# Altium PCB HIL_RIG_REV_1_1.PcbDoc (part 2 of 5) (continued)
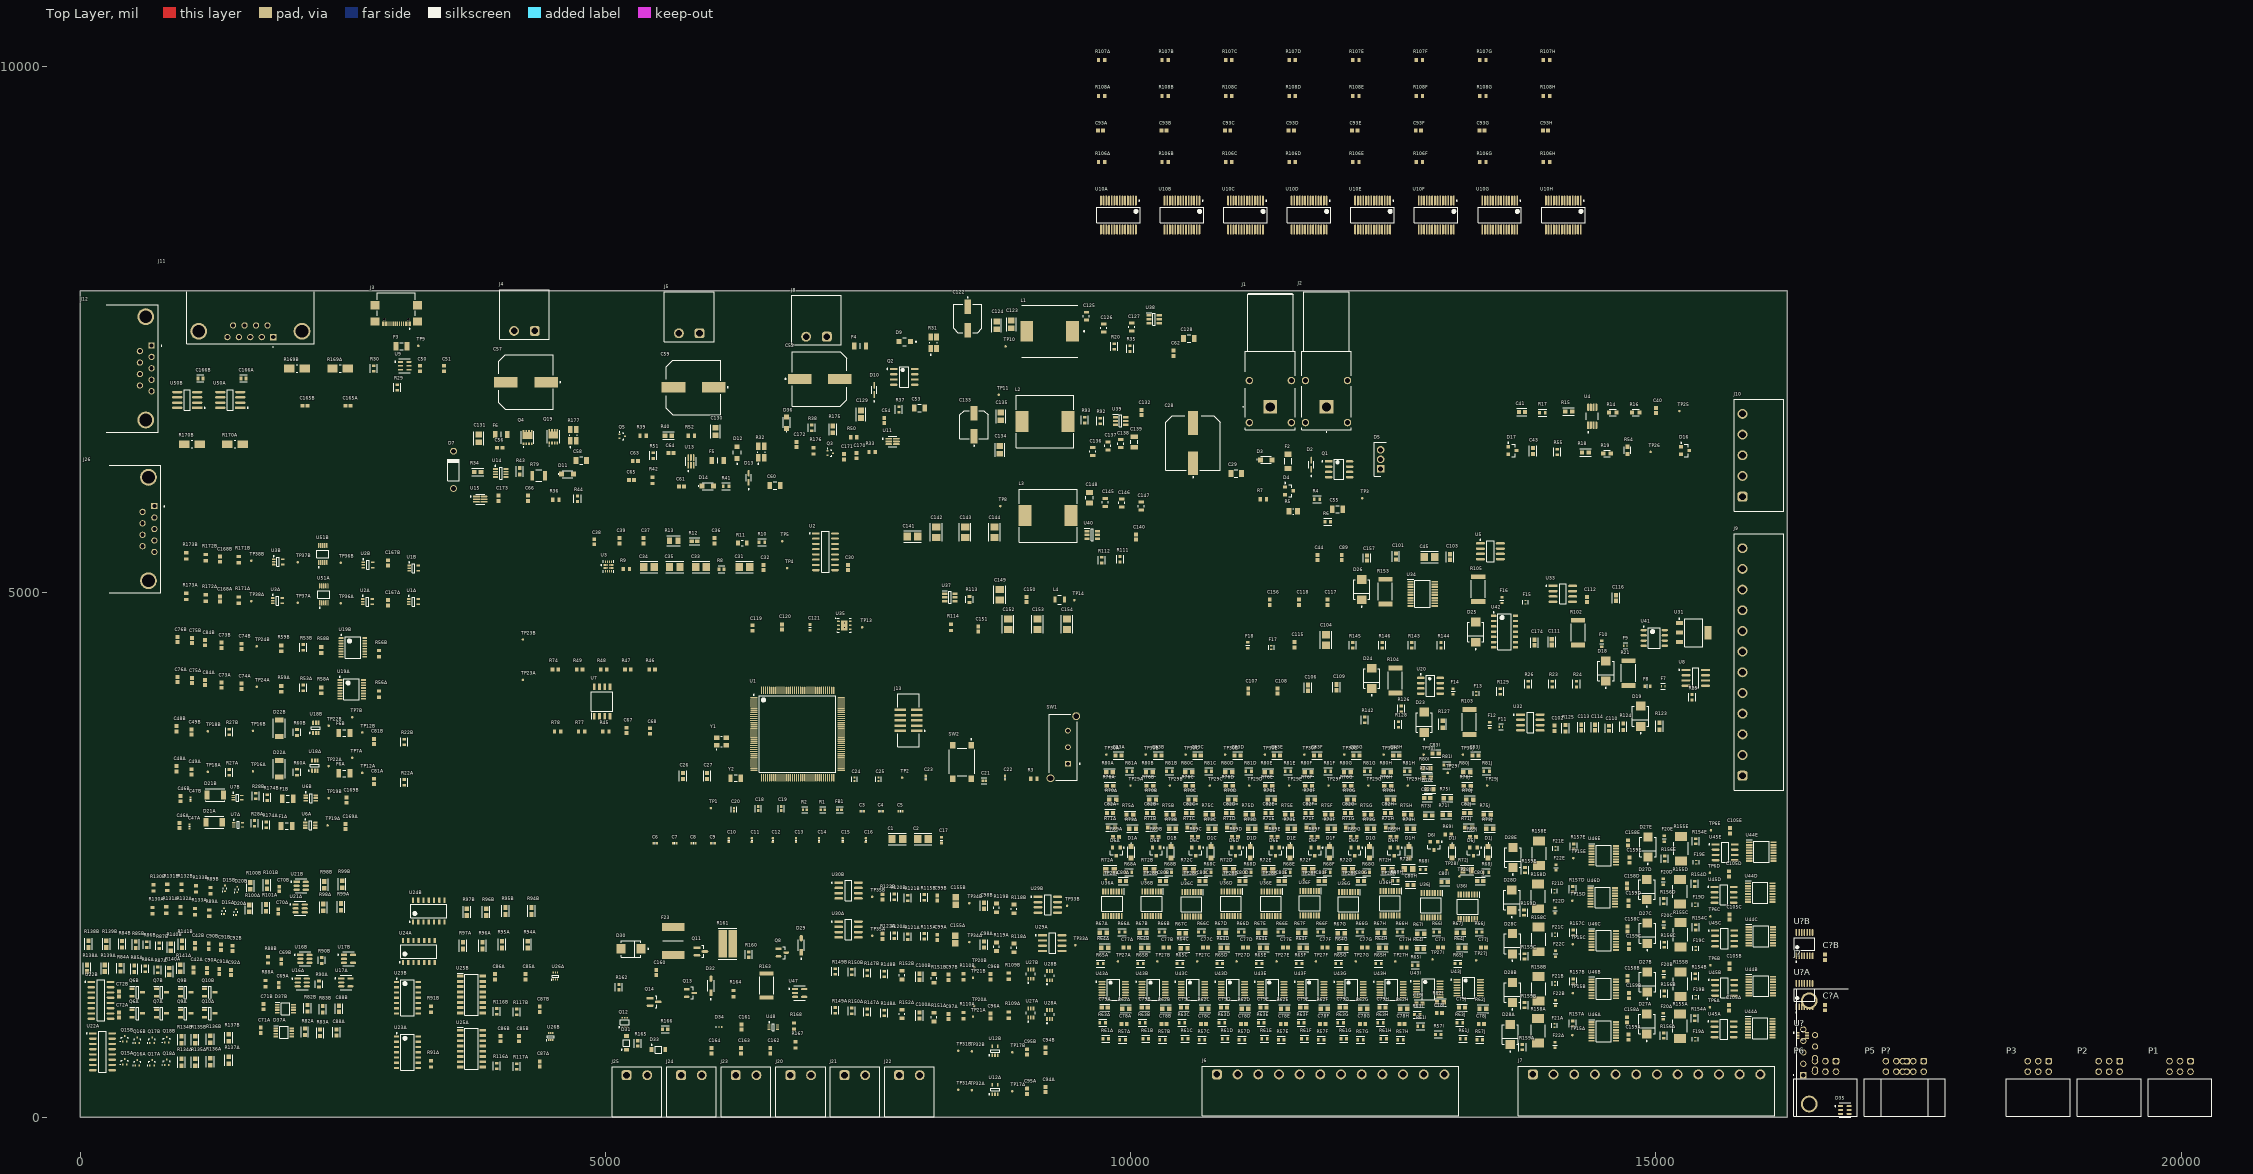
[diagram p0: Top Layer view]
## Components (designator, comment, footprint, x,y, rotation, side; value= is the part's Value field where it differs from the comment) (continued)
R72G "RN73R2ATTD1002B25" FP-RN73R2A-IPC_A 12073.7,2355 r0 top value=10k (schematic designator R72)
R72H "RN73R2ATTD1002B25" FP-RN73R2A-IPC_A 12448.7,2355 r0 top value=10k (schematic designator R72)
R72I "RN73R2ATTD1002B25" FP-RN73R2A-IPC_A 12645.37,2365 r0 top value=10k (schematic designator R72)
R72J "RN73R2ATTD1002B25" FP-RN73R2A-IPC_A 13203.7,2355 r0 top value=10k (schematic designator R72)
R73A "MCT06030D2003BP500" FP-MCT0603-IPC_A 10019.32,2750 r0 top value=200k (schematic designator R73)
R73B "MCT06030D2003BP500" FP-MCT0603-IPC_A 10399.32,2750 r0 top value=200k (schematic designator R73)
R73C "MCT06030D2003BP500" FP-MCT0603-IPC_A 10774.32,2750 r0 top value=200k (schematic designator R73)
R73D "MCT06030D2003BP500" FP-MCT0603-IPC_A 11154.32,2750 r0 top value=200k (schematic designator R73)
R73E "MCT06030D2003BP500" FP-MCT0603-IPC_A 11529.32,2750 r0 top value=200k (schematic designator R73)
R73F "MCT06030D2003BP500" FP-MCT0603-IPC_A 11909.32,2750 r0 top value=200k (schematic designator R73)
R73G "MCT06030D2003BP500" FP-MCT0603-IPC_A 12284.32,2750 r0 top value=200k (schematic designator R73)
R73H "MCT06030D2003BP500" FP-MCT0603-IPC_A 12664.32,2750 r0 top value=200k (schematic designator R73)
R73I "MCT06030D2003BP500" FP-MCT0603-IPC_A 12837.65,2875 r0 top value=200k (schematic designator R73)
R73J "MCT06030D2003BP500" FP-MCT0603-IPC_A 13419.32,2750 r0 top value=200k (schematic designator R73)
R74 "Resistor 22R +/-1% 0603 100 mW" RESC1609X50X30ML08T20 4525,4265 r0 top value=22
R75A "MCT0603MD1002BP500" FP-MCT0603-IPC_A 9994.32,2880 r0 top value=10k (schematic designator R75)
R75B "MCT0603MD1002BP500" FP-MCT0603-IPC_A 10374.32,2880 r0 top value=10k (schematic designator R75)
R75C "MCT0603MD1002BP500" FP-MCT0603-IPC_A 10749.32,2880 r0 top value=10k (schematic designator R75)
R75D "MCT0603MD1002BP500" FP-MCT0603-IPC_A 11129.32,2880 r0 top value=10k (schematic designator R75)
R75E "MCT0603MD1002BP500" FP-MCT0603-IPC_A 11504.32,2880 r0 top value=10k (schematic designator R75)
R75F "MCT0603MD1002BP500" FP-MCT0603-IPC_A 11884.32,2880 r0 top value=10k (schematic designator R75)
R75G "MCT0603MD1002BP500" FP-MCT0603-IPC_A 12259.32,2880 r0 top value=10k (schematic designator R75)
R75H "MCT0603MD1002BP500" FP-MCT0603-IPC_A 12639.32,2880 r0 top value=10k (schematic designator R75)
R75I "MCT0603MD1002BP500" FP-MCT0603-IPC_A 13014.32,3040 r0 top value=10k (schematic designator R75)
R75J "MCT0603MD1002BP500" FP-MCT0603-IPC_A 13394.32,2880 r0 top value=10k (schematic designator R75)
R76A "MCT0603MD1002BP500" FP-MCT0603-IPC_A 9804.32,3155 r0 top value=10k (schematic designator R76)
R76B "MCT0603MD1002BP500" FP-MCT0603-IPC_A 10184.32,3155 r0 top value=10k (schematic designator R76)
R76C "MCT0603MD1002BP500" FP-MCT0603-IPC_A 10559.32,3155 r0 top value=10k (schematic designator R76)
R76D "MCT0603MD1002BP500" FP-MCT0603-IPC_A 10939.32,3155 r0 top value=10k (schematic designator R76)
R76E "MCT0603MD1002BP500" FP-MCT0603-IPC_A 11314.32,3155 r0 top value=10k (schematic designator R76)
R76F "MCT0603MD1002BP500" FP-MCT0603-IPC_A 11694.32,3155 r0 top value=10k (schematic designator R76)
R76G "MCT0603MD1002BP500" FP-MCT0603-IPC_A 12069.32,3155 r0 top value=10k (schematic designator R76)
R76H "MCT0603MD1002BP500" FP-MCT0603-IPC_A 12449.32,3155 r0 top value=10k (schematic designator R76)
R76I "MCT0603MD1002BP500" FP-MCT0603-IPC_A 12824.32,3235 r0 top value=10k (schematic designator R76)
R76J "MCT0603MD1002BP500" FP-MCT0603-IPC_A 13204.32,3155 r0 top value=10k (schematic designator R76)
R77 "Resistor 10k +/-1% 0603 100 mW" RESC1608X55X25ML10T15 4775,3675 r0 top value=10k
R78 "Resistor 10k +/-1% 0603 100 mW" RESC1608X55X25ML10T15 4545,3675 r0 top value=10k
R79 "RK73H2ERTTD1001F" FP-RK73H2E-MFG 4365,6110 r0 top value=1k
R80A "MCT0603MD1002BP500" FP-MCT0603-IPC_A 9799.32,3285 r0 top value=10k (schematic designator R80)
R80B "MCT0603MD1002BP500" FP-MCT0603-IPC_A 10179.32,3285 r0 top value=10k (schematic designator R80)
R80C "MCT0603MD1002BP500" FP-MCT0603-IPC_A 10554.32,3285 r0 top value=10k (schematic designator R80)
R80D "MCT0603MD1002BP500" FP-MCT0603-IPC_A 10934.32,3285 r0 top value=10k (schematic designator R80)
R80E "MCT0603MD1002BP500" FP-MCT0603-IPC_A 11309.32,3285 r0 top value=10k (schematic designator R80)
R80F "MCT0603MD1002BP500" FP-MCT0603-IPC_A 11689.32,3285 r0 top value=10k (schematic designator R80)
R80G "MCT0603MD1002BP500" FP-MCT0603-IPC_A 12064.32,3285 r0 top value=10k (schematic designator R80)
R80H "MCT0603MD1002BP500" FP-MCT0603-IPC_A 12444.32,3285 r0 top value=10k (schematic designator R80)
R80I "MCT0603MD1002BP500" FP-MCT0603-IPC_A 12819.32,3325 r0 top value=10k (schematic designator R80)
R80J "MCT0603MD1002BP500" FP-MCT0603-IPC_A 13199.32,3285 r0 top value=10k (schematic designator R80)
R81A "RT0603BRB07160KL" FP-RT0603-IPC_C 9989.32,3295 r0 top value=160k (schematic designator R81)
R81B "RT0603BRB07160KL" FP-RT0603-IPC_C 10369.32,3295 r0 top value=160k (schematic designator R81)
R81C "RT0603BRB07160KL" FP-RT0603-IPC_C 10744.32,3295 r0 top value=160k (schematic designator R81)
R81D "RT0603BRB07160KL" FP-RT0603-IPC_C 11124.32,3295 r0 top value=160k (schematic designator R81)
R81E "RT0603BRB07160KL" FP-RT0603-IPC_C 11499.32,3295 r0 top value=160k (schematic designator R81)
R81F "RT0603BRB07160KL" FP-RT0603-IPC_C 11879.32,3295 r0 top value=160k (schematic designator R81)
R81G "RT0603BRB07160KL" FP-RT0603-IPC_C 12254.32,3295 r0 top value=160k (schematic designator R81)
R81H "RT0603BRB07160KL" FP-RT0603-IPC_C 12634.32,3295 r0 top value=160k (schematic designator R81)
R81I "RT0603BRB07160KL" FP-RT0603-IPC_C 13009.32,3355 r0 top value=160k (schematic designator R81)
R81J "RT0603BRB07160KL" FP-RT0603-IPC_C 13389.32,3295 r0 top value=160k (schematic designator R81)
R82A "RN73R1JTTD2201B50" FP-RN73R1J-IPC_B 2140,815 r90 top value=2.2k (schematic designator R82)
R82B "RN73R1JTTD2201B50" FP-RN73R1J-IPC_B 2165,1040 r90 top value=2.2k (schematic designator R82)
R83A "RN73R1JTTD2201B50" FP-RN73R1J-IPC_B 2285,805 r90 top value=2.2k (schematic designator R83)
R83B "RN73R1JTTD2201B50" FP-RN73R1J-IPC_B 2310,1030 r90 top value=2.2k (schematic designator R83)
R84A "RN73R1JTTD2201B50" FP-RN73R1J-IPC_B 385,1420 r90 top value=2.2k (schematic designator R84)
R84B "RN73R1JTTD2201B50" FP-RN73R1J-IPC_B 400,1650 r90 top value=2.2k (schematic designator R84)
R85A "RN73R1JTTD2201B50" FP-RN73R1J-IPC_B 515,1415 r90 top value=2.2k (schematic designator R85)
R85B "RN73R1JTTD2201B50" FP-RN73R1J-IPC_B 530,1645 r90 top value=2.2k (schematic designator R85)
R86A "RT0603BRE074K7L" FP-RT0603-IPC_C 620,1415 r90 top value=4.7k (schematic designator R86)
R86B "RT0603BRE074K7L" FP-RT0603-IPC_C 635,1645 r90 top value=4.7k (schematic designator R86)
R87A "RT0603BRE074K7L" FP-RT0603-IPC_C 740,1405 r90 top value=4.7k (schematic designator R87)
R87B "RT0603BRE074K7L" FP-RT0603-IPC_C 755,1635 r90 top value=4.7k (schematic designator R87)
R88A "Resistor 100k +/-1% 0603 100 mW" RESC1608X55X25ML10T15 1765,1275 r90 top value=100k (schematic designator R88)
R88B "Resistor 100k +/-1% 0603 100 mW" RESC1608X55X25ML10T15 1790,1500 r90 top value=100k (schematic designator R88)
R89A "Resistor 100k +/-1% 0603 100 mW" RESC1608X55X25ML10T15 1230,1945 r90 top value=100k (schematic designator R89)
R89B "Resistor 100k +/-1% 0603 100 mW" RESC1608X55X25ML10T15 1240,2160 r90 top value=100k (schematic designator R89)
R90A "RMCF0603FG200K" FP-RMCF0603-MFG 2275,1270 r90 top value=200k (schematic designator R90)
R90B "RMCF0603FG200K" FP-RMCF0603-MFG 2300,1495 r90 top value=200k (schematic designator R90)
R91A "Resistor 10k +/-1% 0603 100 mW" RESC1608X55X25ML10T15 3341,510 r90 top value=10k (schematic designator R91)
R91B "Resistor 10k +/-1% 0603 100 mW" RESC1608X55X25ML10T15 3341,1030 r90 top value=10k (schematic designator R91)
R92 "AC0603FR-0748K7L" FP-AC0603-IPC_C 9710,6630 r90 top value=48.7k
R93 "AC0603FR-073K48L" FP-AC0603-IPC_C 9565,6638.36 r90 top value=3.48k
R94A "CRGCQ0603F33R" FP-CRGCQ0603-IPC_A 4261,1645 r90 top value=33 (schematic designator R94)
R94B "CRGCQ0603F33R" FP-CRGCQ0603-IPC_A 4296,1965 r90 top value=33 (schematic designator R94)
R95A "CRGCQ0603F33R" FP-CRGCQ0603-IPC_A 4016,1645 r90 top value=33 (schematic designator R95)
R95B "CRGCQ0603F33R" FP-CRGCQ0603-IPC_A 4051,1965 r90 top value=33 (schematic designator R95)
R96A "CRGCQ0603F33R" FP-CRGCQ0603-IPC_A 3831,1635 r90 top value=33 (schematic designator R96)
R96B "CRGCQ0603F33R" FP-CRGCQ0603-IPC_A 3866,1955 r90 top value=33 (schematic designator R96)
R97A "CRGCQ0603F33R" FP-CRGCQ0603-IPC_A 3646,1635 r90 top value=33 (schematic designator R97)
R97B "CRGCQ0603F33R" FP-CRGCQ0603-IPC_A 3681,1955 r90 top value=33 (schematic designator R97)
R98A "CRGCQ0603F33R" FP-CRGCQ0603-IPC_A 2315,2000 r90 top value=33 (schematic designator R98)
R98B "CRGCQ0603F33R" FP-CRGCQ0603-IPC_A 2325,2215 r90 top value=33 (schematic designator R98)
R99A "CRGCQ0603F33R" FP-CRGCQ0603-IPC_A 2485,2005 r90 top value=33 (schematic designator R99)
R99B "CRGCQ0603F33R" FP-CRGCQ0603-IPC_A 2495,2220 r90 top value=33 (schematic designator R99)
R100A "CRGCQ0603F33R" FP-CRGCQ0603-IPC_A 1610,1990 r90 top value=33 (schematic designator R100)
R100B "CRGCQ0603F33R" FP-CRGCQ0603-IPC_A 1620,2205 r90 top value=33 (schematic designator R100)
R101A "CRGCQ0603F33R" FP-CRGCQ0603-IPC_A 1770,1995 r90 top value=33 (schematic designator R101)
R101B "CRGCQ0603F33R" FP-CRGCQ0603-IPC_A 1780,2210 r90 top value=33 (schematic designator R101)
R102 "CRGCQ2512F10R" FP-CRGCQ2512-IPC_B 14260,4615 r90 top value=10
R103 "CRGCQ2512F10R" FP-CRGCQ2512-IPC_B 13225,3765 r90 top value=10
R104 "CRGCQ2512F10R" FP-CRGCQ2512-IPC_B 12520,4160 r90 top value=10
R105 "CRGCQ2512F10R" FP-CRGCQ2512-IPC_B 13310,5030 r90 top value=10
R106A "Resistor 10k +/-1% 0603 100 mW" RESC1608X55X25ML10T15 9724.32,9095 r0 top value=10k (schematic designator R106)
R106B "Resistor 10k +/-1% 0603 100 mW" RESC1608X55X25ML10T15 10329.32,9095 r0 top value=10k (schematic designator R106)
R106C "Resistor 10k +/-1% 0603 100 mW" RESC1608X55X25ML10T15 10934.32,9095 r0 top value=10k (schematic designator R106)
R106D "Resistor 10k +/-1% 0603 100 mW" RESC1608X55X25ML10T15 11539.32,9095 r0 top value=10k (schematic designator R106)
R106E "Resistor 10k +/-1% 0603 100 mW" RESC1608X55X25ML10T15 12144.32,9095 r0 top value=10k (schematic designator R106)
R106F "Resistor 10k +/-1% 0603 100 mW" RESC1608X55X25ML10T15 12749.32,9095 r0 top value=10k (schematic designator R106)
R106G "Resistor 10k +/-1% 0603 100 mW" RESC1608X55X25ML10T15 13354.32,9095 r0 top value=10k (schematic designator R106)
R106H "Resistor 10k +/-1% 0603 100 mW" RESC1608X55X25ML10T15 13959.32,9095 r0 top value=10k (schematic designator R106)
R107A "Resistor 10k +/-1% 0603 100 mW" RESC1608X55X25ML10T15 9724.32,10065 r0 top value=10k (schematic designator R107)
R107B "Resistor 10k +/-1% 0603 100 mW" RESC1608X55X25ML10T15 10329.32,10065 r0 top value=10k (schematic designator R107)
R107C "Resistor 10k +/-1% 0603 100 mW" RESC1608X55X25ML10T15 10934.32,10065 r0 top value=10k (schematic designator R107)
R107D "Resistor 10k +/-1% 0603 100 mW" RESC1608X55X25ML10T15 11539.32,10065 r0 top value=10k (schematic designator R107)
R107E "Resistor 10k +/-1% 0603 100 mW" RESC1608X55X25ML10T15 12144.32,10065 r0 top value=10k (schematic designator R107)
R107F "Resistor 10k +/-1% 0603 100 mW" RESC1608X55X25ML10T15 12749.32,10065 r0 top value=10k (schematic designator R107)
R107G "Resistor 10k +/-1% 0603 100 mW" RESC1608X55X25ML10T15 13354.32,10065 r0 top value=10k (schematic designator R107)
R107H "Resistor 10k +/-1% 0603 100 mW" RESC1608X55X25ML10T15 13959.32,10065 r0 top value=10k (schematic designator R107)
R108A "Resistor 10k +/-1% 0603 100 mW" RESC1608X55X25ML10T15 9724.32,9725 r0 top value=10k (schematic designator R108)
R108B "Resistor 10k +/-1% 0603 100 mW" RESC1608X55X25ML10T15 10329.32,9725 r0 top value=10k (schematic designator R108)
R108C "Resistor 10k +/-1% 0603 100 mW" RESC1608X55X25ML10T15 10934.32,9725 r0 top value=10k (schematic designator R108)
R108D "Resistor 10k +/-1% 0603 100 mW" RESC1608X55X25ML10T15 11539.32,9725 r0 top value=10k (schematic designator R108)
R108E "Resistor 10k +/-1% 0603 100 mW" RESC1608X55X25ML10T15 12144.32,9725 r0 top value=10k (schematic designator R108)
R108F "Resistor 10k +/-1% 0603 100 mW" RESC1608X55X25ML10T15 12749.32,9725 r0 top value=10k (schematic designator R108)
R108G "Resistor 10k +/-1% 0603 100 mW" RESC1608X55X25ML10T15 13354.32,9725 r0 top value=10k (schematic designator R108)
R108H "Resistor 10k +/-1% 0603 100 mW" RESC1608X55X25ML10T15 13959.32,9725 r0 top value=10k (schematic designator R108)
R109A "Resistor 10k +/-1% 0603 100 mW" RESC1608X55X25ML10T15 8840,975 r90 top value=10k (schematic designator R109)
R109B "Resistor 10k +/-1% 0603 100 mW" RESC1608X55X25ML10T15 8840,1345 r90 top value=10k (schematic designator R109)
R110A "Resistor 10k +/-1% 0603 100 mW" RESC1608X55X25ML10T15 8410,970 r90 top value=10k (schematic designator R110)
R110B "Resistor 10k +/-1% 0603 100 mW" RESC1608X55X25ML10T15 8410,1340 r90 top value=10k (schematic designator R110)
R111 "AC0603FR-7W100KL" FP-AC0603-IPC_C 9900,5313.36 r90 top value=100k
R112 "AC0603FR-0719K1L" FP-AC0603-IPC_C 9725,5305 r90 top value=19.1k
R113 "CRCW060333K2FKEAHP" FP-CRCW0603-HPe3-MFG 8465,4930 r90 top value=33.2k
R114 "Resistor 10k +/-1% 0603 100 mW" RESC1608X55X25ML10T15 8290,4665 r90 top value=10k
R115A "RT0603BRD0711K5L" FP-RT0603-IPC_C 8035,1725 r90 top value=11.5k (schematic designator R115)
R115B "RT0603BRD0711K5L" FP-RT0603-IPC_C 8035,2095 r90 top value=11.5k (schematic designator R115)
R116A "AC0603FR-7W100KL" FP-AC0603-IPC_C 3966,490 r90 top value=100k (schematic designator R116)
R116B "AC0603FR-7W100KL" FP-AC0603-IPC_C 3966,1010 r90 top value=100k (schematic designator R116)
R117A "AC0603FR-7W100KL" FP-AC0603-IPC_C 4156,485 r90 top value=100k (schematic designator R117)
R117B "AC0603FR-7W100KL" FP-AC0603-IPC_C 4156,1005 r90 top value=100k (schematic designator R117)
R118A "RT0805BRD0710KL" FP-RT0805-MFG 8890,1615 r90 top value=10k (schematic designator R118)
R118B "RT0805BRD0710KL" FP-RT0805-MFG 8890,1985 r90 top value=10k (schematic designator R118)
R119A "RT0805BRD0710KL" FP-RT0805-MFG 8725,1625 r90 top value=10k (schematic designator R119)
R119B "RT0805BRD0710KL" FP-RT0805-MFG 8725,1995 r90 top value=10k (schematic designator R119)
R120A "RT0603BRD0710K2L" FP-RT0603-IPC_C 7750,1730 r90 top value=10.2k (schematic designator R120)
R120B "RT0603BRD0710K2L" FP-RT0603-IPC_C 7750,2100 r90 top value=10.2k (schematic designator R120)
R121A "RT0603BRD0711K5L" FP-RT0603-IPC_C 7880,1720 r90 top value=11.5k (schematic designator R121)
R121B "RT0603BRD0711K5L" FP-RT0603-IPC_C 7880,2090 r90 top value=11.5k (schematic designator R121)
R122A "ERA-3AEB1132V" RESC1608X55X30NL20T20 7640,1725 r90 top value=11.3k (schematic designator R122)
R122B "ERA-3AEB1132V" RESC1608X55X30NL20T20 7640,2100 r90 top value=11.3k (schematic designator R122)
R123 "MCT06030C2002FPW00" FP-MCT0603-IPC_A 15035,3725 r90 top value=20k
R124 "RN73R1JTTD1004B25" FP-RN73R1J-IPC_B 14690,3720 r90 top value=1M
R125 "RN73R1JTTD1004B25" FP-RN73R1J-IPC_B 14140,3705 r90 top value=1M
R126 "RT0603BRE0730KL" FP-RT0603-IPC_C 12575,3890 r90 top value=30k
R127 "MCT06030D2003BP500" FP-MCT0603-IPC_A 12970,3742.35 r90 top value=200k
R128 "RT0603BRE0730KL" FP-RT0603-IPC_C 12550,3740 r90 top value=30k
R129 "RT0603BRE0710KL" FP-RT0603-IPC_C 13520,4055 r90 top value=10k
R130A "Resistor 100k +/-1% 0603 100 mW" RESC1608X55X25ML10T15 690,1970 r90 top value=100k (schematic designator R130)
R130B "Resistor 100k +/-1% 0603 100 mW" RESC1608X55X25ML10T15 700,2185 r90 top value=100k (schematic designator R130)
R131A "Resistor 100k +/-1% 0603 100 mW" RESC1608X55X25ML10T15 820,1975 r90 top value=100k (schematic designator R131)
R131B "Resistor 100k +/-1% 0603 100 mW" RESC1608X55X25ML10T15 830,2190 r90 top value=100k (schematic designator R131)
R132A "Resistor 100k +/-1% 0603 100 mW" RESC1608X55X25ML10T15 955,1975 r90 top value=100k (schematic designator R132)
R132B "Resistor 100k +/-1% 0603 100 mW" RESC1608X55X25ML10T15 965,2190 r90 top value=100k (schematic designator R132)
R133A "Resistor 100k +/-1% 0603 100 mW" RESC1608X55X25ML10T15 1095,1960 r90 top value=100k (schematic designator R133)
R133B "Resistor 100k +/-1% 0603 100 mW" RESC1608X55X25ML10T15 1105,2175 r90 top value=100k (schematic designator R133)
R134A "MCT0603MD1002BP500" FP-MCT0603-IPC_A 965,525 r90 top value=10k (schematic designator R134)
R134B "MCT0603MD1002BP500" FP-MCT0603-IPC_A 965,740 r90 top value=10k (schematic designator R134)
R135A "MCT0603MD1002BP500" FP-MCT0603-IPC_A 1095,525 r90 top value=10k (schematic designator R135)
R135B "MCT0603MD1002BP500" FP-MCT0603-IPC_A 1095,740 r90 top value=10k (schematic designator R135)
R136A "MCT0603MD1002BP500" FP-MCT0603-IPC_A 1240,530 r90 top value=10k (schematic designator R136)
R136B "MCT0603MD1002BP500" FP-MCT0603-IPC_A 1240,745 r90 top value=10k (schematic designator R136)
R137A "MCT0603MD1002BP500" FP-MCT0603-IPC_A 1415,545 r90 top value=10k (schematic designator R137)
R137B "MCT0603MD1002BP500" FP-MCT0603-IPC_A 1415,760 r90 top value=10k (schematic designator R137)
R138A "TFCR0603-10W-E-1001BT-1K" FP-TFCR0603-IPC_A 65,1420 r90 top value=1k (schematic designator R138)
R138B "TFCR0603-10W-E-1001BT-1K" FP-TFCR0603-IPC_A 80,1650 r90 top value=1k (schematic designator R138)
R139A "TFCR0603-10W-E-1001BT-1K" FP-TFCR0603-IPC_A 235,1420 r90 top value=1k (schematic designator R139)
R139B "TFCR0603-10W-E-1001BT-1K" FP-TFCR0603-IPC_A 250,1650 r90 top value=1k (schematic designator R139)
R140A "MCT0603MD1002BP500" FP-MCT0603-IPC_A 850,1390 r90 top value=10k (schematic designator R140)
R140B "MCT0603MD1002BP500" FP-MCT0603-IPC_A 865,1620 r90 top value=10k (schematic designator R140)
R141A "MCT0603MD1002BP500" FP-MCT0603-IPC_A 955,1420 r90 top value=10k (schematic designator R141)
R141B "MCT0603MD1002BP500" FP-MCT0603-IPC_A 970,1650 r90 top value=10k (schematic designator R141)
R142 "RT0603BRE0710KL" FP-RT0603-IPC_C 12230,3785 r90 top value=10k
R143 "RT0603BRE0730KL" FP-RT0603-IPC_C 12675,4495 r90 top value=30k
R144 "RT0603BRE0730KL" FP-RT0603-IPC_C 12955,4495 r90 top value=30k
R145 "RT0603BRE0710KL" FP-RT0603-IPC_C 12115,4495 r90 top value=10k
R146 "RT0603BRE0710KL" FP-RT0603-IPC_C 12395,4495 r90 top value=10k
R147A "RT0603BRD073K4L" FP-RT0603-IPC_C 7495,1005 r90 top value=3.4k (schematic designator R147)
R147B "RT0603BRD073K4L" FP-RT0603-IPC_C 7495,1375 r90 top value=3.4k (schematic designator R147)
R148A "RT0603BRD076K98L" FP-RT0603-IPC_C 7655,995 r90 top value=6.98k (schematic designator R148)
R148B "RT0603BRD076K98L" FP-RT0603-IPC_C 7655,1365 r90 top value=6.98k (schematic designator R148)
R149A "RT0603BRD073K57L" FP-RT0603-IPC_C 7190,1020 r90 top value=3.57k (schematic designator R149)
R149B "RT0603BRD073K57L" FP-RT0603-IPC_C 7190,1390 r90 top value=3.57k (schematic designator R149)
R150A "RT0603BRD0710K2L" FP-RT0603-IPC_C 7345,1015 r90 top value=10.2k (schematic designator R150)
R150B "RT0603BRD0710K2L" FP-RT0603-IPC_C 7345,1385 r90 top value=10.2k (schematic designator R150)
R151A "RT0805BRD0710KL" FP-RT0805-MFG 8130,955 r90 top value=10k (schematic designator R151)
R151B "RT0805BRD0710KL" FP-RT0805-MFG 8130,1325 r90 top value=10k (schematic designator R151)
R152A "RT0805BRD071K5L" FP-RT0805-MFG 7825,985 r90 top value=1.5k (schematic designator R152)
R152B "RT0805BRD071K5L" FP-RT0805-MFG 7825,1355 r90 top value=1.5k (schematic designator R152)
R153 "CRGCQ2512F10R" FP-CRGCQ2512-IPC_B 12425,5005 r90 top value=10
R154A "10k" FP-MCT0603-IPC_C 15370,944.32 r90 top (schematic designator R154)
R154B "10k" FP-MCT0603-IPC_C 15375,1344.32 r90 top (schematic designator R154)
R154C "10k" FP-MCT0603-IPC_C 15380,1809.32 r90 top (schematic designator R154)
R154D "10k" FP-MCT0603-IPC_C 15370,2224.32 r90 top (schematic designator R154)
R154E "10k" FP-MCT0603-IPC_C 15380,2629.32 r90 top (schematic designator R154)
R155A "10" FP-CR2512-MFG 15230,869.32 r90 top (schematic designator R155)
R155B "10" FP-CR2512-MFG 15235,1269.32 r90 top (schematic designator R155)
R155C "10" FP-CR2512-MFG 15235,1739.32 r90 top (schematic designator R155)
R155D "10" FP-CR2512-MFG 15230,2149.32 r90 top (schematic designator R155)
R155E "10" FP-CR2512-MFG 15240,2559.32 r90 top (schematic designator R155)
R156A "10k" FP-MCT0603-IPC_C 15075,779.32 r90 top (schematic designator R156)
R156B "10k" FP-MCT0603-IPC_C 15080,1179.32 r90 top (schematic designator R156)
R156C "10k" FP-MCT0603-IPC_C 15080,1644.32 r90 top (schematic designator R156)
R156D "10k" FP-MCT0603-IPC_C 15075,2059.32 r90 top (schematic designator R156)
R156E "10k" FP-MCT0603-IPC_C 15085,2464.32 r90 top (schematic designator R156)
R157A "10k" FP-MCT0603-IPC_C 14210,894.32 r90 top (schematic designator R157)
R157B "10k" FP-MCT0603-IPC_C 14215,1294.32 r90 top (schematic designator R157)
R157C "10k" FP-MCT0603-IPC_C 14215,1759.32 r90 top (schematic designator R157)
R157D "10k" FP-MCT0603-IPC_C 14210,2174.32 r90 top (schematic designator R157)
R157E "10k" FP-MCT0603-IPC_C 14220,2579.32 r90 top (schematic designator R157)
R158A "10" FP-CR2512-MFG 13880,824.32 r90 top (schematic designator R158)
R158B "10" FP-CR2512-MFG 13885,1224.32 r90 top (schematic designator R158)
R158C "10" FP-CR2512-MFG 13885,1694.32 r90 top (schematic designator R158)
R158D "10" FP-CR2512-MFG 13880,2104.32 r90 top (schematic designator R158)
R158E "10" FP-CR2512-MFG 13890,2514.32 r90 top (schematic designator R158)
R159A "10k" FP-MCT0603-IPC_C 13730,669.32 r90 top (schematic designator R159)
R159B "10k" FP-MCT0603-IPC_C 13750,1069.32 r90 top (schematic designator R159)
R159C "10k" FP-MCT0603-IPC_C 13750,1534.32 r90 top (schematic designator R159)
R159D "10k" FP-MCT0603-IPC_C 13745,1949.32 r90 top (schematic designator R159)
R159E "10k" FP-MCT0603-IPC_C 13755,2354.32 r90 top (schematic designator R159)
R160 "100k" FP-CRGCQ0603-IPC_C 6365,1550 r90 top value=100KΩ
R161 "470" FP-LTR100-IPC_A 6165,1655 r0 top
R162 "1M" FP-CRGP0603-IPC_C 5130,1240.32 r90 top
R163 "100" FP-CRGP2512-IPC_C 6535,1255 r90 top value=100Ω
R164 "Resistor 10k +/-1% 0603 100 mW" RESC1608X55X25ML10T15 6220,1180 r90 top value=10k
R165 "100k" FP-CRGCQ0603-IPC_C 5310,705 r90 top value=100KΩ
R166 "1M" FP-CRGP0603-IPC_C 5570,840 r180 top
R167 "Resistor 10k +/-1% 0603 100 mW" RESC1608X55X25ML10T15 6810,690 r90 top value=10k
R168 "Resistor 10k +/-1% 0603 100 mW" RESC1608X55X25ML10T15 6795,870 r90 top value=10k
R169A "60" FP-MCS1632-MFG 2475,7130 r180 top value=50mΩ (schematic designator R169)
R169B "60" FP-MCS1632-MFG 2065,7130 r180 top value=50mΩ (schematic designator R169)
R170A "60" FP-MCS1632-MFG 1475,6410 r180 top value=50mΩ (schematic designator R170)
R170B "60" FP-MCS1632-MFG 1065,6410 r180 top value=50mΩ (schematic designator R170)
R171A "Resistor 10k +/-1% 0603 100 mW" RESC1608X55X25ML10T15 1511,4925 r90 top value=10k (schematic designator R171)
R171B "Resistor 10k +/-1% 0603 100 mW" RESC1608X55X25ML10T15 1511,5310 r90 top value=10k (schematic designator R171)
R172A "Resistor 10k +/-1% 0603 100 mW" RESC1608X55X25ML10T15 1196,4945 r90 top value=10k (schematic designator R172)
R172B "Resistor 10k +/-1% 0603 100 mW" RESC1608X55X25ML10T15 1196,5330 r90 top value=10k (schematic designator R172)
R173A "Resistor 10k +/-1% 0603 100 mW" RESC1608X55X25ML10T15 1011,4960 r90 top value=10k (schematic designator R173)
R173B "Resistor 10k +/-1% 0603 100 mW" RESC1608X55X25ML10T15 1011,5345 r90 top value=10k (schematic designator R173)
R174A "AC0603FR-7W100KL" FP-AC0603-IPC_C 1771,2785 r90 top value=100k (schematic designator R174)
R174B "AC0603FR-7W100KL" FP-AC0603-IPC_C 1781,3045 r90 top value=100k (schematic designator R174)
R175 "CRGCQ0603F150K" FP-CRGCQ0603-IPC_A 7165,6550 r90 top value=150k
R176 "Resistor 10k +/-1% 0603 100 mW" RESC1608X55X25ML10T15 6980,6345 r90 top value=10k
R177 "L4T12FR020DER" FP-L4T12-MFG 4695,6495 r90 top value=20m
SW1 "1825255-1" TECO-1825255-1_V 9360,3525 r90 top
SW2 "EVQ-Q2503W" FP-EVQ-Q2503W-MFG 8395,3385 r90 top
TP1 "TPAD6R" TP06R 6005,2945 r90 top
TP2 "TPAD6R" TP06R 7825,3235 r90 top
TP3 "TPAD6R" TP06R 12205,5895 r90 top
TP4 "TPAD6R" TP06R 6730,5230 r90 top
TP5 "TPAD6R" TP06R 6685,5485 r90 top
TP6A "TPAD6R" TP06R 15515,1049.32 r90 top (schematic designator TP6)
TP6B "TPAD6R" TP06R 15520,1449.32 r90 top (schematic designator TP6)
TP6C "TPAD6R" TP06R 15520,1914.32 r90 top (schematic designator TP6)
TP6D "TPAD6R" TP06R 15515,2329.32 r90 top (schematic designator TP6)
TP6E "TPAD6R" TP06R 15525,2734.32 r90 top (schematic designator TP6)
TP7A "TPAD6R" TP06R 2591,3425 r90 top (schematic designator TP7)
TP7B "TPAD6R" TP06R 2591,3810 r90 top (schematic designator TP7)
TP8 "TPAD6R" TP06R 8760,5820 r90 top
TP9 "TPAD6R" TP06R 3220,7345 r90 top
TP10 "TPAD6R" TP06R 8810,7340 r90 top
TP11 "TPAD6R" TP06R 8745,6880 r90 top
TP12A "TPAD6R" TP06R 2686,3280 r90 top (schematic designator TP12)
TP12B "TPAD6R" TP06R 2686,3665 r90 top (schematic designator TP12)
TP13 "TPAD6R" TP06R 7445,4665 r90 top
TP14 "TPAD6R" TP06R 9465,4925 r90 top
TP15A "TPAD6R" TP06R 14205,784.32 r90 top (schematic designator TP15)
TP15B "TPAD6R" TP06R 14210,1184.32 r90 top (schematic designator TP15)
TP15C "TPAD6R" TP06R 14210,1649.32 r90 top (schematic designator TP15)
TP15D "TPAD6R" TP06R 14205,2064.32 r90 top (schematic designator TP15)
TP15E "TPAD6R" TP06R 14215,2469.32 r90 top (schematic designator TP15)
TP16A "TPAD6R" TP06R 1646,3295 r90 top (schematic designator TP16)
TP16B "TPAD6R" TP06R 1646,3680 r90 top (schematic designator TP16)
TP17A "TPAD6R" TP06R 8875,250 r90 top (schematic designator TP17)
TP17B "TPAD6R" TP06R 8875,620 r90 top (schematic designator TP17)
TP18A "TPAD6R" TP06R 1216,3290 r90 top (schematic designator TP18)
TP18B "TPAD6R" TP06R 1216,3675 r90 top (schematic designator TP18)
TP19A "TPAD6R" TP06R 2356,2780 r90 top (schematic designator TP19)
TP19B "TPAD6R" TP06R 2366,3040 r90 top (schematic designator TP19)
TP20A "TPAD6R" TP06R 8510,1060 r90 top (schematic designator TP20)
TP20B "TPAD6R" TP06R 8510,1430 r90 top (schematic designator TP20)
TP21A "TPAD6R" TP06R 8500,960 r90 top (schematic designator TP21)
TP21B "TPAD6R" TP06R 8500,1330 r90 top (schematic designator TP21)
TP22A "TPAD6R" TP06R 2366,3345 r90 top (schematic designator TP22)
TP22B "TPAD6R" TP06R 2366,3730 r90 top (schematic designator TP22)
TP23A "TPAD6R" TP06R 4216,4165 r90 top (schematic designator TP23)
TP23B "TPAD6R" TP06R 4216,4550 r90 top (schematic designator TP23)
TP24A "TPAD6R" TP06R 1681,4100 r90 top (schematic designator TP24)
TP24B "TPAD6R" TP06R 1681,4485 r90 top (schematic designator TP24)
TP25 "TPAD6R" TP06R 15225,6725 r90 top
TP26 "TPAD6R" TP06R 14950,6335 r90 top
TP27A "TPAD6R" TP06R 9879.32,1485 r0 top (schematic designator TP27)
TP27B "TPAD6R" TP06R 10254.32,1485 r0 top (schematic designator TP27)
TP27C "TPAD6R" TP06R 10634.32,1485 r0 top (schematic designator TP27)
TP27D "TPAD6R" TP06R 11009.32,1485 r0 top (schematic designator TP27)
TP27E "TPAD6R" TP06R 11389.32,1485 r0 top (schematic designator TP27)
TP27F "TPAD6R" TP06R 11764.32,1485 r0 top (schematic designator TP27)
TP27G "TPAD6R" TP06R 12144.32,1485 r0 top (schematic designator TP27)
TP27H "TPAD6R" TP06R 12519.32,1485 r0 top (schematic designator TP27)
TP27I "TPAD6R" TP06R 12874.32,1505 r0 top (schematic designator TP27)
TP27J "TPAD6R" TP06R 13290,1495 r0 top (schematic designator TP27)
TP28A "TPAD6R" TP06R 9765,2265 r0 top (schematic designator TP28)
TP28B "TPAD6R" TP06R 10140,2265 r0 top (schematic designator TP28)
TP28C "TPAD6R" TP06R 10520,2265 r0 top (schematic designator TP28)
TP28D "TPAD6R" TP06R 10895,2265 r0 top (schematic designator TP28)